# Altium PCB GridSeed_Rev04.PcbDoc (part 4 of 6) (continued)
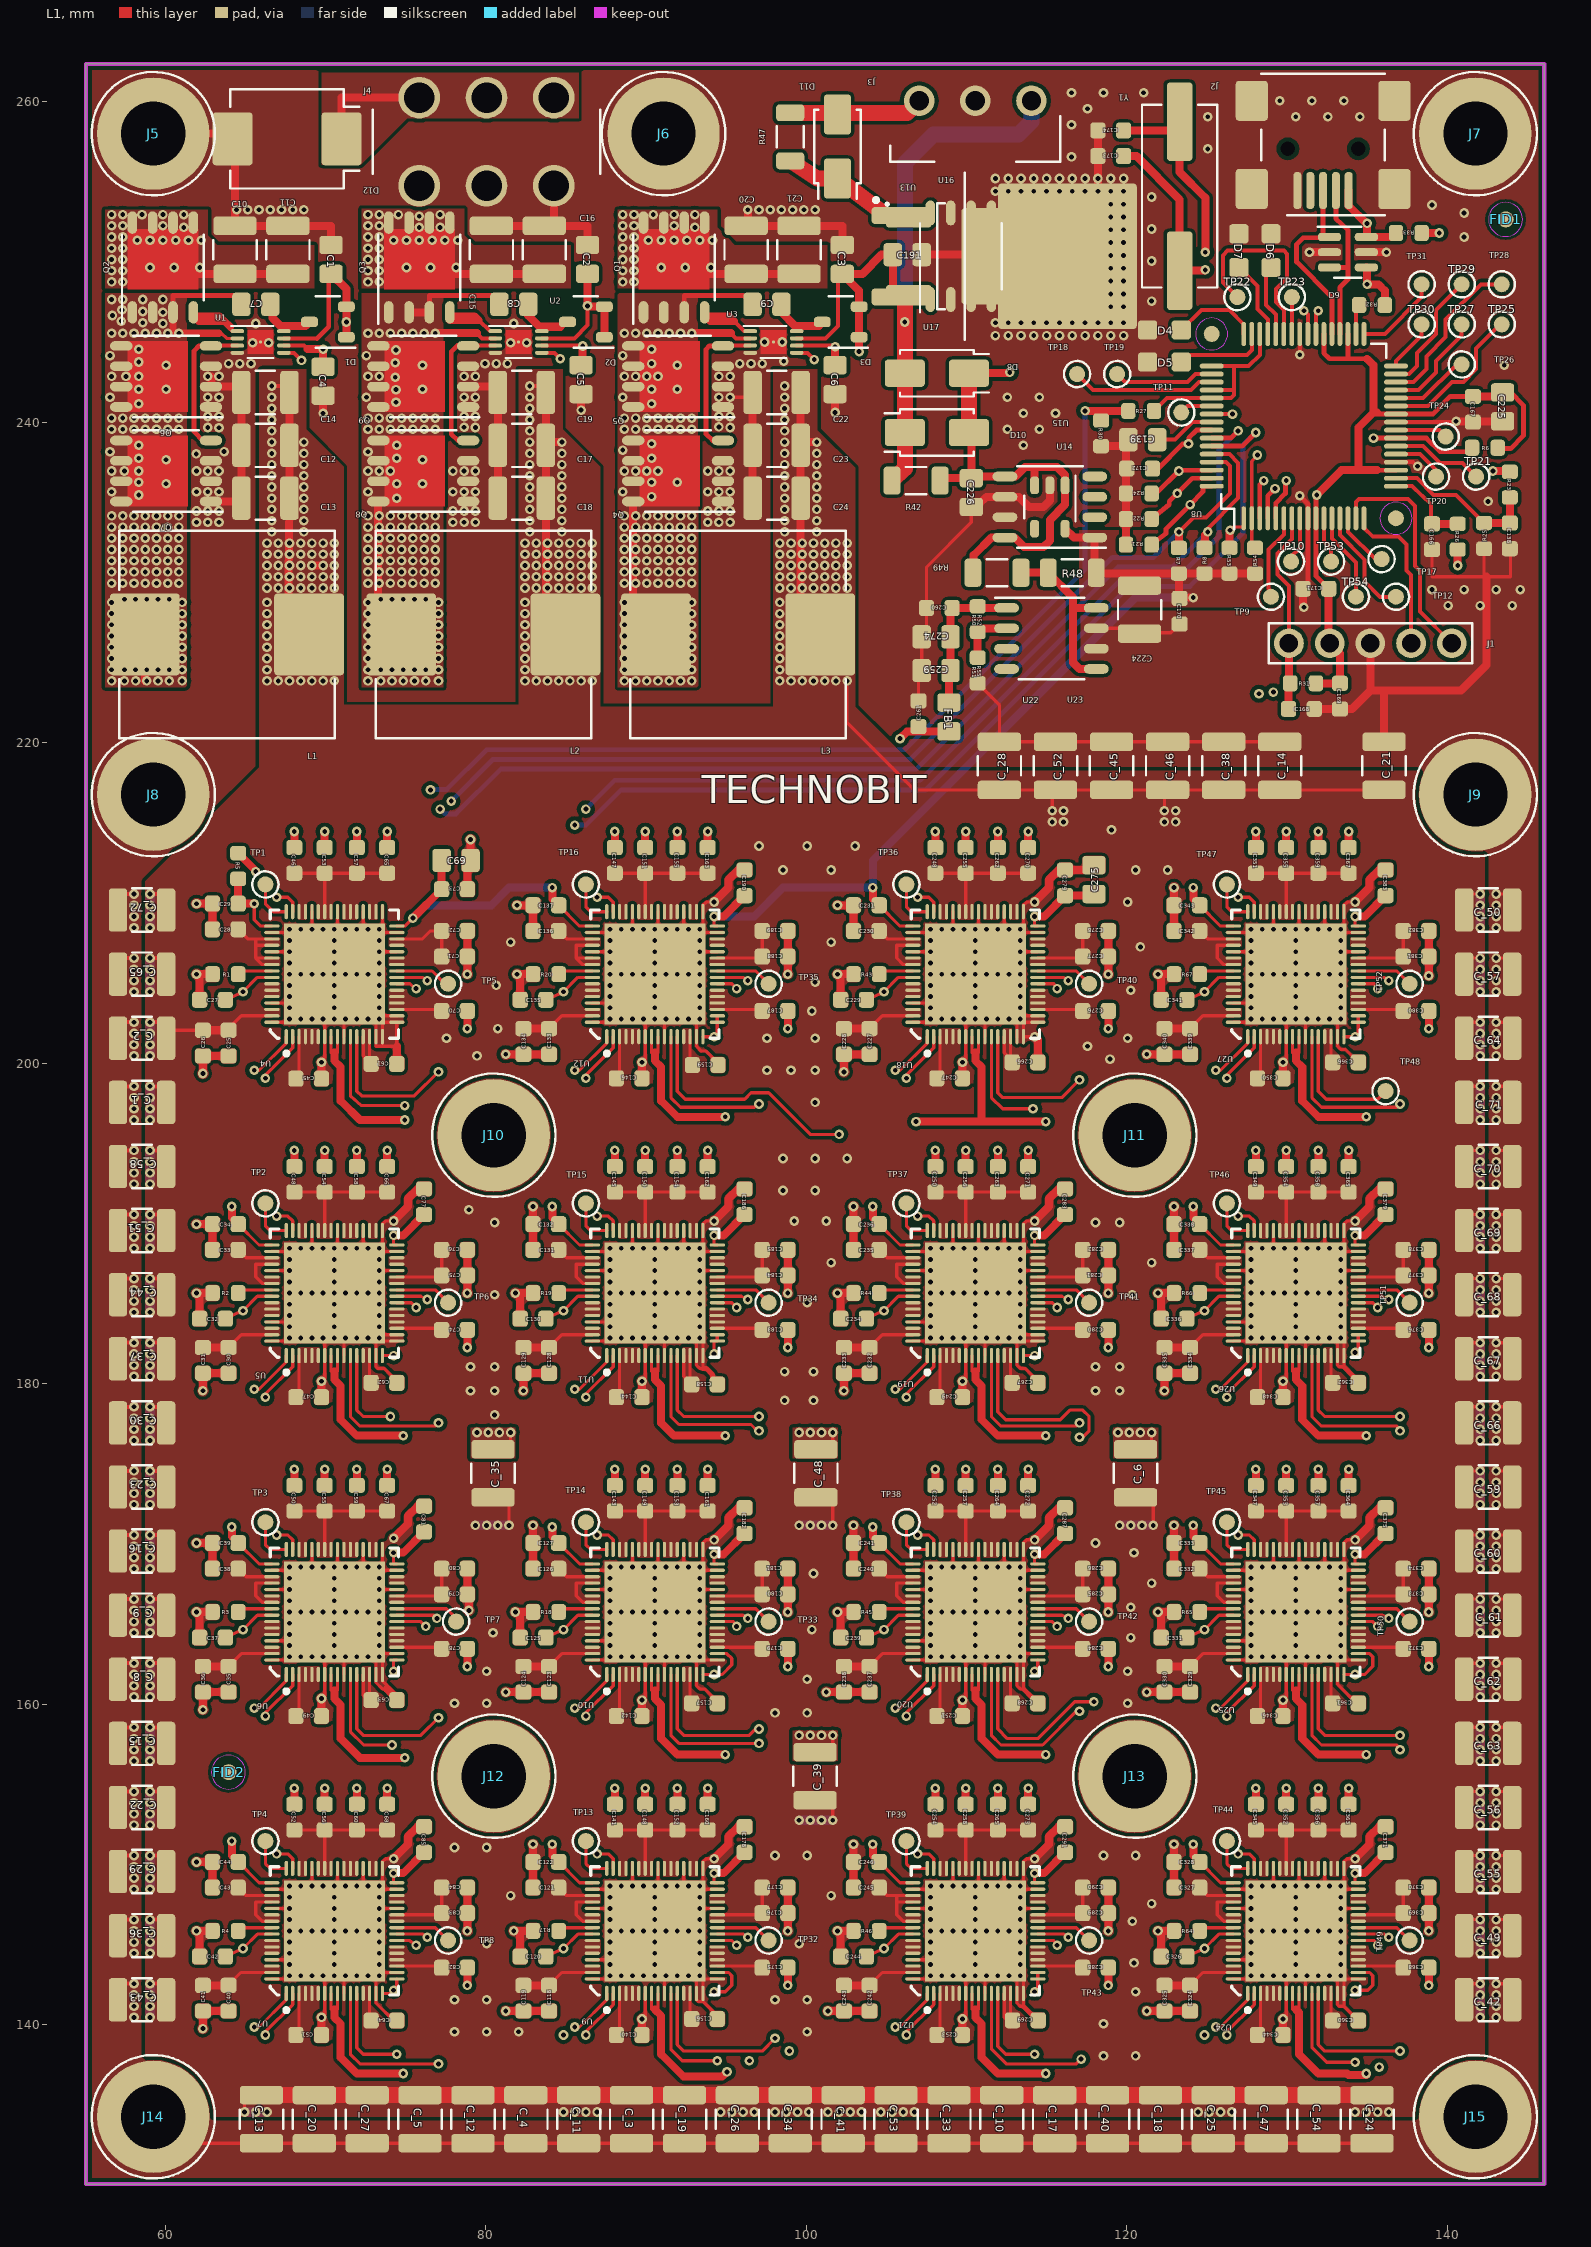
[diagram p0: L1 view]
## Nets (pads, with @x,y where several pads share a name; then routed paths per layer and width w, separated by ;. In a path a pad name is that pad's centre, name@x,y a point inside that pad or via, vN(x,y) a via of type N, cw(c..) or ccw(c..) an arc to the next point about the centre after c; other vN are vias at no path point) (continued)
v1(110.55,204.15) v1(110.55,204.85) v1(110.55,205.55) v1(110.55,206.25) v1(110.55,206.95) v1(110.55,207.65) U18.65@110.55,208.15 ; U18.65@110.55,208.15 U18.65@110.781,208.15 ; U21.65@110.781,148.45 U21.65@112.35,148.45 ; U20.65@110.781,168.35 U20.65@112.35,168.35 ; U19.65@110.781,188.25 U19.65@112.35,188.25 ; U18.65@110.781,208.15 U18.65@112.35,208.15 ; U21.65@111.15,142.85 U21.65@113.15,142.85 ; U20.65@111.15,162.75 112.65,162.75 113.15,162.75 U20.15@113.15,161.85 113.15,161.15 113.35,160.95 113.55,160.95 U20.65@113.55,163.15 ; U19.65@111.15,182.65 U19.65@113.15,182.65 ; U18.65@111.15,202.55 U18.65@113.15,202.55 ; U21.65@112.35,148.45 U21.65@113.55,148.45 ; U20.65@112.35,168.35 U20.65@113.55,168.35 ; U19.65@112.35,188.25 U19.65@113.55,188.25 ; U18.65@112.35,208.15 U18.65@113.55,208.15 ; U21.65@113.15,142.85 113.55,142.85 113.55,141.15 113.35,141.15 113.15,141.35 U21.15@113.15,141.95 U21.65@113.15,142.85 ; U18.65@113.15,202.55 U18.65@113.55,202.55 ; U24.65@129.164,148.45 U24.65@130.55,148.45 ; U25.65@129.164,168.35 U25.65@130.55,168.35 ; U26.65@129.164,188.25 U26.65@130.55,188.25 ; U27.65@129.164,208.15 U27.65@130.55,208.15 ; U25.65@129.91,162.75 U25.65@130.55,162.75 ; U24.65@129.95,142.85 U24.65@130.55,142.85 ; U26.65@129.95,182.65 U26.65@130.55,182.65 ; U27.65@129.964,202.55 U27.65@130.55,202.55 ; U24.65@130.55,142.85 U24.65@131.15,142.85 ; U24.65@130.55,142.85 v1(130.55,143.05) v1(130.55,143.75) U24.65@130.55,144.05 ; U24.65@130.55,144.05 v1(130.55,144.45) v1(130.55,145.15) v1(130.55,145.85) v1(130.55,146.55) v1(130.55,147.25) v1(130.55,147.95) U24.65@130.55,148.45 ; U24.65@130.55,148.45 U24.65@130.781,148.45 ; U25.65@130.55,162.75 U25.65@131.15,162.75 ; U25.65@130.55,162.75 v1(130.55,162.95) v1(130.55,163.65) U25.65@130.55,163.95 ; U25.65@130.55,163.95 v1(130.55,164.35) v1(130.55,165.05) v1(130.55,165.75) v1(130.55,166.45) v1(130.55,167.15) v1(130.55,167.85) U25.65@130.55,168.35 ; U25.65@130.55,168.35 U25.65@130.781,168.35 ; U26.65@130.55,182.65 U26.65@131.15,182.65 ; U26.65@130.55,182.65 v1(130.55,182.85) v1(130.55,183.55) U26.65@130.55,183.85 ; U26.65@130.55,183.85 v1(130.55,184.25) v1(130.55,184.95) v1(130.55,185.65) v1(130.55,186.35) v1(130.55,187.05) v1(130.55,187.75) U26.65@130.55,188.25 ; U26.65@130.55,188.25 U26.65@130.781,188.25 ; U27.65@130.55,202.55 U27.65@131.15,202.55 ; U27.65@130.55,202.55 v1(130.55,202.75) v1(130.55,203.45) U27.65@130.55,203.75 ; U27.65@130.55,203.75 v1(130.55,204.15) v1(130.55,204.85) v1(130.55,205.55) v1(130.55,206.25) v1(130.55,206.95) v1(130.55,207.65) U27.65@130.55,208.15 ; U27.65@130.55,208.15 U27.65@130.781,208.15 ; U24.65@130.781,148.45 U24.65@132.35,148.45 ; U25.65@130.781,168.35 U25.65@132.35,168.35 ; U26.65@130.781,188.25 U26.65@132.35,188.25 ; U27.65@130.781,208.15 131.95,208.15 U27.65@132.35,208.15 ; U24.65@131.15,142.85 132.65,142.85 U24.65@133.15,142.85 ; U25.65@131.15,162.75 131.95,162.75 U25.65@133.15,162.75 ; U26.65@131.15,182.65 U26.65@133.15,182.65 ; U24.65@132.35,148.45 133.35,148.45 U24.65@133.55,148.45 ; U25.65@132.35,168.35 U25.65@133.55,168.35 ; U26.65@132.35,188.25 U26.65@133.55,188.25 ; U27.65@132.35,208.15 133.35,208.15 U27.65@133.55,208.15 ; U24.65@133.15,142.85 U24.65@133.55,142.85 ; U24.65@133.15,142.85 U24.15@133.15,141.95 133.15,141.25 133.25,141.15 133.55,141.15 ; U26.65@133.15,182.65 133.55,182.65 U26.16@133.55,181.75 133.55,181.05 133.25,181.05 133.15,181.15 U26.15@133.15,181.75 U26.65@133.15,182.65 ; 133.55,141.15 U24.16@133.55,141.95 U24.65@133.55,142.85
  L1 w0.25: C_43.2@57.05,141.55 57.05,142.55 v1(58.05,142.55) ; C_36.2@57.05,145.55 57.05,146.55 v1(58.05,146.55) ; C_29.2@57.05,149.55 57.05,150.55 v1(58.05,150.55) ; C_22.2@57.05,153.55 57.05,154.55 v1(58.05,154.55) ; C_15.2@57.05,157.55 57.05,158.55 v1(58.05,158.55) ; C_8.2@57.05,161.55 57.05,162.55 v1(58.05,162.55) ; C_9.2@57.05,165.55 57.05,166.55 v1(58.05,166.55) ; C_16.2@57.05,169.55 57.05,170.55 v1(58.05,170.55) ; C_23.2@57.05,173.55 57.05,174.55 v1(58.05,174.55) ; C_30.2@57.05,177.55 57.05,178.55 v1(58.05,178.55) ; C_37.2@57.05,181.55 57.05,182.55 v1(58.05,182.55) ; C_44.2@57.05,185.55 57.05,186.55 v1(58.05,186.55) ; C_51.2@57.05,189.55 57.05,190.55 v1(58.05,190.55) ; C_58.2@57.05,193.55 57.05,194.55 v1(58.05,194.55) ; C_1.2@57.05,197.55 57.05,198.55 v1(58.05,198.55) ; C_2.2@57.05,201.55 57.05,202.55 v1(58.05,202.55) ; C_65.2@57.05,205.55 57.05,206.55 v1(58.05,206.55) ; C_72.2@57.05,209.55 57.05,210.55 v1(58.05,210.55) ; v1(130.8,244.2) U8.41@130.8,245.5 ; U8.20@136.8,237.5 137.85,237.5 v1(138.15,237.25) ; U8.25@136.8,240 C167.2@141.6,240
  L1 w0.3: 93.55,180.95 93.75,180.95 94.15,180.55 C158.1@94.15,179.95 ; 113.55,141.15 114.114,140.586 114.474,140.586 C269.1@114.474,140.269 ; 113.55,160.95 C268.1@114.45,160.05 ; v1(130.8,235.4) 131.3,234.9 U8.9@131.3,234 131.3,229.9 C171.2@131,229.6 ; 133.55,181.05 C362.1@134.45,180.15
  L1 w0.5: J5.1@59.25,258 63.875,258 D12.2@64.2,257.675 64.35,257.675 C10.1@64.35,252.25 C11.1@67.65,252.25 70.35,252.25 C1.1@70.35,251.05 ; v1(61.95,145.85) v1@62.15,145.85 ; v1(61.95,150.15) C44.1@62.95,150.15 C43.1@62.95,148.55 ; v1(61.95,165.75) v1@62.15,165.75 ; v1(61.95,170.05) C39.1@62.95,170.05 C38.1@62.95,168.45 ; v1(61.95,185.65) v1@62.15,185.65 ; v1(61.95,189.95) C34.1@62.95,189.95 C33.1@62.95,188.35 ; v1(61.95,205.55) v1@62.15,205.55 ; v1(61.95,209.95) C29.1@62.95,209.95 C28.1@62.95,208.35 ; C42.1@62.15,144.25 v1@62.15,145.85 ; C37.1@62.15,164.15 v1@62.15,165.75 ; C32.1@62.15,184.05 v1@62.15,185.65 ; C27.1@62.15,203.95 v1@62.15,205.55 ; v1(62.35,139.75) C41.1@62.35,140.85 C40.1@63.95,140.85 ; v1(62.35,159.65) C36.1@62.35,160.75 C35.1@63.95,160.75 ; v1(62.35,179.55) C31.1@62.35,180.65 C30.1@63.95,180.65 ; v1(62.35,199.35) C26.1@62.35,200.45 C25.1@63.95,200.45 ; v1(62.65,242.85) 62.87,242.85 Q6.2@62.87,242.215 ; Q7.1@62.85,235.045 64.25,235.045 64.455,235.25 C13.1@64.75,235.25 C12.1@64.75,238.55 C14.1@64.75,241.85 64.65,242.115 64.55,242.215 Q6.2@62.87,242.215 ; Q6.2@62.85,242.215 Q6.2@62.87,242.215 ; R4.1@62.95,145.85 v1@62.15,145.85 ; R3.1@62.95,165.75 v1@62.15,165.75 ; R2.1@62.95,185.65 v1@62.15,185.65 ; R1.1@62.95,205.55 v1@62.15,205.55 ; C52.1@68.05,153.75 v1(68.05,154.75) ; C50.1@68.05,173.65 v1(68.05,174.65) ; C48.1@68.05,193.55 v1(68.05,194.55) ; C46.1@68.05,213.45 v1(68.05,214.45) ; C51.1@69.75,139.35 v1(69.75,140.45) ; C49.1@69.75,159.25 v1(69.75,160.35) ; C47.1@69.75,179.15 v1(69.75,180.15) ; C45.1@69.75,199.027 v1(69.75,200.05) ; v1(69.85,240.55) C4.2@69.85,241.65 ; C56.1@69.95,153.75 v1(69.95,154.75) ; C55.1@69.95,173.65 v1(69.95,174.65) ; C54.1@69.95,193.55 v1(69.95,194.55) ; C53.1@69.95,213.45 v1(69.95,214.45) ; C60.1@71.95,153.75 v1(71.95,154.75) ; C59.1@71.95,173.65 v1(71.95,174.65) ; C58.1@71.95,193.55 v1(71.95,194.55) ; C57.1@71.95,213.45 v1(71.95,214.45) ; C68.1@73.85,153.75 v1(73.85,154.75) ; 73.85,160.95 74.45,160.35 C63.1@74.45,160.25 ; C67.1@73.85,173.65 v1(73.85,174.65) ; C66.1@73.85,193.55 v1(73.85,194.55) ; C65.1@73.85,213.45 v1(73.85,214.45) ; v1(74.25,150.35) 75.15,151.25 75.15,151.75 75.75,152.35 C85.1@76.15,152.35 ; v1(74.25,170.35) 75.15,171.25 75.15,171.75 75.75,172.35 C81.1@76.15,172.35 ; v1(74.25,190.15) 75.15,191.05 75.15,191.55 75.75,192.15 C77.1@76.15,192.15 ; C62.1@74.429,179.955 C62.1@74.45,180.05 ; C61.1@74.45,199.95 74.45,201.05 ; v1(78.85,142.45) C82.1@78.85,143.55 ; v1(78.85,145.85) C84.1@78.85,148.55 ; v1(78.85,162.35) C78.1@78.85,163.45 ; C80.1@78.85,168.45 C79.1@78.85,166.85 78.95,166.85 v1(78.95,165.85) ; v1(78.85,182.25) C74.1@78.85,183.35 ; v1(78.85,185.65) C76.1@78.85,188.35 ; v1(78.85,202.15) C70.1@78.85,203.25 ; v1(78.85,205.55) C72.1@78.85,208.25 ; C73.1@78.85,210.85 78.85,212.45 C69.2@79.05,212.65 v1(79.05,213.95) ; Q9.2@78.9,242.215 80.65,242.215 80.75,242.115 C19.1@80.75,241.85 C17.1@80.75,238.55 C18.1@80.75,235.25 ; C15.1@80.35,252.25 C16.1@83.65,252.25 C16.1@84.25,252.25 ; v1(81.25,140.85) C119.1@82.35,140.85 C118.1@83.95,140.85 ; v1(81.25,160.75) C124.1@82.35,160.75 C123.1@83.95,160.75 ; v1(81.25,200.55) C134.1@82.35,200.55 C133.1@83.95,200.55 ; v1(81.75,145.85) 82.15,145.85 ; v1(81.85,165.75) 82.15,165.75 ; v1(81.85,185.65) 82.15,185.65 ; v1(81.95,205.55) v1@82.15,205.55 ; v1(81.95,209.85) C137.1@82.95,209.85 C136.1@82.95,208.25 ; C120.1@82.15,144.25 82.15,145.85 ; C125.1@82.15,164.15 82.15,165.75 ; C130.1@82.15,184.05 82.15,185.65 ; C135.1@82.15,203.95 v1@82.15,205.55 ; v1(82.35,179.55) C129.1@82.35,180.65 C128.1@83.95,180.65 ; R17.2@82.95,145.85 82.15,145.85 ; C121.1@82.95,148.55 v1(82.95,151.25) ; R18.1@82.95,165.75 82.15,165.75 ; C126.1@82.95,168.45 v1(82.95,171.15) ; R19.1@82.95,185.65 82.15,185.65 ; C131.1@82.95,188.35 v1(82.95,191.05) ; R20.1@82.95,205.55 v1@82.15,205.55 ; J4.6@84.25,254.75 C16.1@84.25,252.25 ; v1(85.95,240.75) C5.2@85.95,241.75 ; C2.1@86.35,251.05 86.35,252.25 C16.1@84.25,252.25 ; C141.1@88.05,153.75 v1(88.05,154.75) ; C143.1@88.05,173.65 v1(88.05,174.65) ; C145.1@88.05,193.55 v1(88.05,194.55) ; C147.1@88.05,213.45 v1(88.05,214.45) ; C140.1@89.75,139.35 v1(89.75,140.35) ; C142.1@89.75,159.25 v1(89.75,160.25) ; C144.1@89.75,179.15 v1(89.75,180.15) ; C146.1@89.75,199.05 v1(89.75,200.05) ; C148.1@89.95,153.75 v1(89.95,154.75) ; C149.1@89.95,173.65 v1(89.95,174.65) ; C150.1@89.95,193.55 v1(89.95,194.55) ; C151.1@89.95,213.45 v1(89.95,214.45) ; C152.1@91.95,153.75 v1(91.95,154.75) ; C153.1@91.95,173.65 v1(91.95,174.65) ; C154.1@91.95,193.55 v1(91.95,194.55) ; C155.1@91.95,213.45 v1(91.95,214.45) ; C160.1@93.85,153.75 v1(93.85,154.75) ; C161.1@93.85,173.65 v1(93.85,174.65) ; C162.1@93.85,193.55 v1(93.85,194.55) ; C163.1@93.85,213.45 v1(93.85,214.45) ; v1(94.25,150.35) 95.15,151.25 95.15,151.75 95.75,152.35 C178.1@96.15,152.35 ; v1(94.25,170.25) 95.15,171.15 95.15,171.65 95.75,172.25 C182.1@96.15,172.25 ; v1(94.25,190.15) 95.15,191.05 95.15,191.55 95.75,192.15 C186.1@96.15,192.15 ; v1(94.25,210.05) 95.15,210.95 95.15,211.45 95.75,212.05 C190.1@96.15,212.05 ; C157.1@94.426,159.956 C157.1@94.45,160.05 ; C20.2@96.25,252.25 C20.2@96.35,252.25 ; v1(96.35,253.25) C20.2@96.35,252.25 ; C24.1@96.65,235.25 96.65,241.55 C22.1@96.65,241.85 ; v1(98.85,142.45) C175.1@98.85,143.55 ; v1(98.85,145.85) C176.1@98.85,146.95 C177.1@98.85,148.55 ; v1(98.85,162.35) C179.1@98.85,163.45 ; v1(98.85,165.75) C180.1@98.85,166.85 C181.1@98.85,168.45 ; v1(98.85,182.25) C183.1@98.85,183.35 ; v1(98.85,185.65) C184.1@98.85,186.75 C185.1@98.85,188.35 ; v1(98.85,202.15) C187.1@98.85,203.25 ; v1(98.85,205.55) C188.1@98.85,206.65 C189.1@98.85,208.25 ; v1(101.25,160.75) C238.1@102.35,160.75 C237.1@103.95,160.75 ; v1(101.35,140.85) C243.1@102.35,140.85 C242.1@103.95,140.85 ; v1(101.8,240.6) C6.2@101.8,241.75 ; v1(101.95,145.85) v1@102.15,145.85 ; v1(101.95,165.75) v1@102.15,165.75 ; v1(101.95,185.65) v1@102.15,185.65 ; v1(101.95,205.55) v1@102.15,205.55 ; v1(101.95,209.85) C231.1@102.95,209.85 C230.1@102.95,208.25 ; C244.1@102.15,144.25 v1@102.15,145.85 ; C239.1@102.15,164.15 v1@102.15,165.75 ; C234.1@102.15,184.05 v1@102.15,185.65 ; C229.1@102.15,203.95 v1@102.15,205.55 ; C3.1@102.25,251.05 102.25,252.25 C21.2@99.55,252.25 C20.2@96.35,252.25 ; v1(102.35,179.55) C233.1@102.35,180.65 C232.1@103.95,180.65 ; v1(102.35,199.45) C228.1@102.35,200.55 C227.1@103.95,200.55 ; R46.1@102.95,145.85 v1@102.15,145.85 ; C245.1@102.95,148.55 C246.1@102.95,150.15 v1(102.95,151.25) ; R45.1@102.95,165.75 v1@102.15,165.75 ; C240.1@102.95,168.45 C241.1@102.95,170.05 v1(102.95,171.15) ; R44.1@102.95,185.65 v1@102.15,185.65 ; C235.1@102.95,188.35 C236.1@102.95,189.95 v1(102.95,191.05) ; R43.1@102.95,205.55 v1@102.15,205.55 ; C191.2@107.2,250.45 116.35,250.45 116.275,250.375 U16.4@116.25,250.35 ; C254.1@108.05,153.75 v1(108.05,154.75) ; C252.1@108.05,173.65 v1(108.05,174.65) ; C250.1@108.05,193.55 v1(108.05,194.55) ; C248.1@108.05,213.45 v1(108.05,214.45) ; C253.1@109.75,139.35 v1(109.75,140.35) ; C251.1@109.75,159.25 v1(109.75,160.25) ; C249.1@109.75,179.15 v1(109.75,180.15) ; C247.1@109.75,199.05 v1(109.75,200.05) ; C258.1@109.95,153.75 v1(109.95,154.75) ; C257.1@109.95,173.65 v1(109.95,174.65) ; C256.1@109.95,193.55 v1(109.95,194.55) ; C255.1@109.95,213.45 v1(109.95,214.45) ; C226.2@110.3,234.7 110.3,234.9 110.8,234.9 111.235,235.335 U15.6@112.4,235.335 113.265,235.335 113.9,234.7 114.8,234.7 115.2,235.1 U14.2@115.2,236.05 ; C265.1@111.95,153.75 v1(111.95,154.75) ; C264.1@111.95,173.65 v1(111.95,174.65) ; C263.1@111.95,193.55 v1(111.95,194.55) ; C262.1@111.95,213.45 v1(111.95,214.45) ; U17.4@112.9,250.35 U16.4@116.25,250.35 ; C273.1@113.85,153.75 v1(113.85,154.75) ; C272.1@113.85,173.65 v1(113.85,174.65) ; C271.1@113.85,193.55 v1(113.85,194.55) ; C270.1@113.85,213.45 v1(113.85,214.45) ; v1(114.25,150.35) 115.15,151.25 115.15,151.75 115.75,152.35 C291.1@116.15,152.35 ; v1(114.25,170.25) 115.15,171.15 115.15,171.65 115.75,172.25 C287.1@116.15,172.25 ; v1(114.25,190.15) 115.15,191.05 115.15,191.55 115.75,192.15 C283.1@116.15,192.15 ; v1(114.25,201.65) 114.45,201.45 C266.1@114.45,200.05 ; v1(114.25,210.05) 115.15,210.95 115.15,211.45 115.75,212.05 117.95,212.05 C275.2@117.95,212.35 ; C174.2@118.2,258.2 C173.2@118.2,256.6 v1(118.2,255.2) v1(118.2,254.4) 118.2,250.35 U16.4@116.3,250.35 U16.4@116.25,250.35 ; R30.2@118.4,238.5 C139.2@119.95,238.5 ; v1(118.85,142.45) C288.1@118.85,143.55 ; v1(118.85,145.85) C289.1@118.85,146.95 C290.1@118.85,148.55 ; v1(118.85,162.35) C284.1@118.85,163.45 ; v1(118.85,165.75) C285.1@118.85,166.85 C286.1@118.85,168.45 ; v1(118.85,182.25) C280.1@118.85,183.35 ; v1(118.85,185.65) C281.1@118.85,186.75 C282.1@118.85,188.35 ; v1(118.85,202.15) C276.1@118.85,203.25 ; v1(118.85,205.55) C277.1@118.85,206.65 C278.1@118.85,208.25 ; R21.2@119.95,232.35 119.95,237.05 C172.2@120,237.1 119.95,237.1 C139.2@119.95,238.5 ; C139.2@120.1,238.9 120,238.8 C139.2@119.95,238.5 ; v1(121.25,140.85) C325.1@122.35,140.85 C324.1@123.95,140.85 ; v1(121.25,160.75) C330.1@122.35,160.75 C329.1@123.95,160.75 ; v1(121.25,200.55) C340.1@122.35,200.55 C339.1@123.95,200.55 ; v1(121.95,145.85) v1@122.15,145.85 ; v1(121.95,165.75) v1@122.15,165.75 ; v1(121.95,185.65) v1@122.15,185.65 ; v1(121.95,205.55) v1@122.15,205.55 ; C326.1@122.15,144.25 v1@122.15,145.85 ; C331.1@122.15,164.15 v1@122.15,165.75 ; C336.1@122.15,184.05 v1@122.15,185.65 ; C341.1@122.15,203.95 v1@122.15,205.55 ; v1(122.35,179.55) C335.1@122.35,180.65 C334.1@123.95,180.65 ; R64.1@122.95,145.85 v1@122.15,145.85 ; C327.1@122.95,148.55 C328.1@122.95,150.15 v1(122.95,151.25) ; R65.1@122.95,165.75 v1@122.15,165.75 ; C332.1@122.95,168.45 C333.1@122.95,170.05 v1(122.95,171.15) ; R66.1@122.95,185.65 v1@122.15,185.65 ; C337.1@122.95,188.35 C338.1@122.95,189.95 v1(122.95,191.05) ; R67.1@122.95,205.55 v1@122.15,205.55 ; C342.1@122.95,208.25 C343.1@122.95,209.85 v1(122.95,210.95) ; C345.1@128.05,153.75 v1(128.05,154.75) ; C347.1@128.05,173.65 v1(128.05,174.65) ; C349.1@128.05,193.55 v1(128.05,194.55) ; C351.1@128.05,213.45 v1(128.05,214.45) ; C344.1@129.75,139.35 v1(129.75,140.35) ; C346.1@129.75,159.25 v1(129.75,160.25) ; C348.1@129.75,179.15 v1(129.75,180.15) ; C350.1@129.75,199.05 v1(129.75,200.05) ; C352.1@129.95,153.75 v1(129.95,154.75) ; C353.1@129.95,173.65 v1(129.95,174.65) ; C354.1@129.95,193.55 v1(129.95,194.55) ; C355.1@129.95,213.45 v1(129.95,214.45) ; C171.2@131,229.6 131,228.55 v1(131.05,228.45) ; v1(131.4,250.6) D9.2@132.65,250.6 ; C168.2@131.7,222.1 C169.2@133.3,222.1 134.05,222.1 135.2,223.25 ; C356.1@131.95,153.75 v1(131.95,154.75) ; C357.1@131.95,173.65 v1(131.95,174.65) ; C358.1@131.95,193.55 v1(131.95,194.55) ; C359.1@131.95,213.45 v1(131.95,214.45) ; C363.1@133.85,153.75 v1(133.85,154.75) ; C364.1@133.85,173.65 v1(133.85,174.65) ; C365.1@133.85,193.55 v1(133.85,194.55) ; C367.1@133.85,213.45 v1(133.85,214.45) ; v1(134.25,150.35) 135.15,151.25 135.15,151.75 135.75,152.35 C371.1@136.15,152.35 ; v1(134.25,170.25) 135.15,171.15 135.15,171.65 135.75,172.25 C375.1@136.15,172.25 ; v1(134.25,190.15) 135.15,191.05 135.15,191.55 135.75,192.15 C379.1@136.15,192.15 ; v1(134.25,210.05) 135.15,210.95 135.15,211.45 135.75,212.05 C383.1@136.15,212.05 ; C361.1@134.426,159.956 C361.1@134.45,160.05 ; D9.5@134.95,250.6 v1(136.2,250.6) ; J1.3@135.2,226.2 135.2,223.25 ; C_21.2@136.05,220.05 136.05,223.15 135.95,223.25 ; v1(138.85,142.45) C368.1@138.85,143.55 ; v1(138.85,145.85) C369.1@138.85,146.95 C370.1@138.85,148.55 ; v1(138.85,162.35) C372.1@138.85,163.45 ; v1(138.85,165.75) C373.1@138.85,166.85 C374.1@138.85,168.45 ; v1(138.85,182.25) C376.1@138.85,183.35 ; v1(138.85,185.65) C377.1@138.85,186.75 C378.1@138.85,188.35 ; v1(138.85,202.15) C380.1@138.85,203.25 ; v1(138.85,205.45) C381.1@138.85,206.65 C382.1@138.85,208.25 ; v1(140.55,240.05) 141.05,240.05 ; C167.2@141.6,240 141.05,240.05 ; 142.45,230.35 142.45,224.85 140.85,223.25 135.95,223.25 ; C225.2@143.45,240.05 141.05,240.05 ; 135.2,223.25 135.95,223.25